# KiCad board 32u2.kicad_pcb (continued)
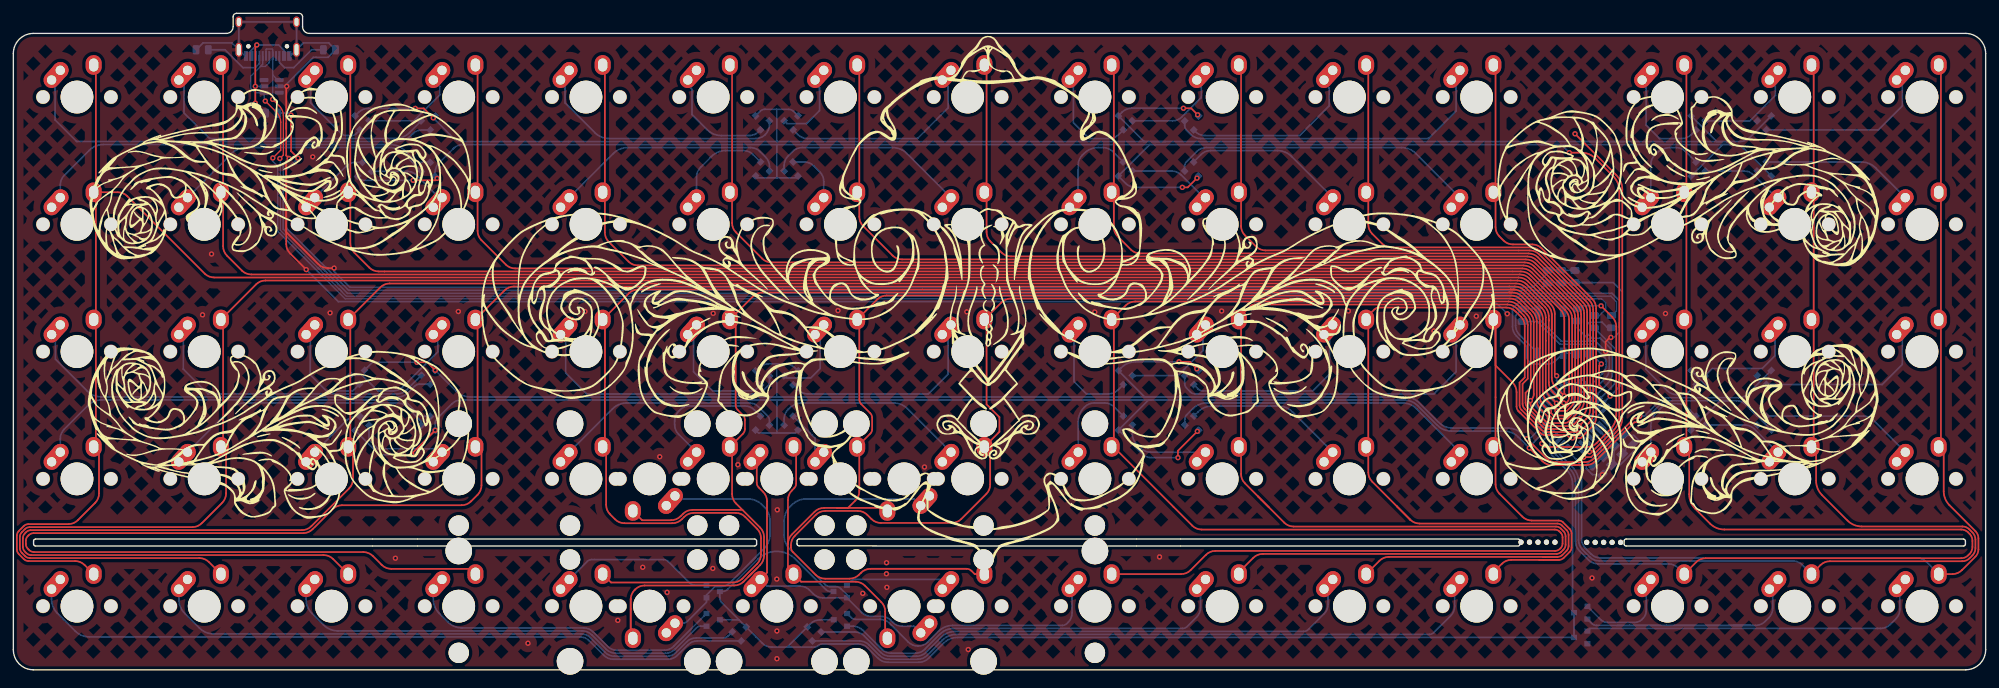
[diagram p0: board, top side]
## Routing (per net, layer and track width the routed paths; a pad name or vN(x,y) marks a point on that pad's centre or on a via; arc(x,y) is an arc through that point) (continued)
Net-(D27-Pad2): length 34.8
  Bottom w0.25: SW305.1 89.71,39.06 arc(90.69,39.71) 91.83,39.94 110.16,39.94 arc(110.92,39.79) 111.57,39.36 112.91,38.01 arc(113.13,37.69) 113.2,37.31 D27.2
Net-(D28-Pad1): length 30.1
  Bottom w0.25: SW308.1 133.89,39.06 arc(132.91,39.71) 131.77,39.94 118.2,39.94 arc(117.05,39.71) 116.08,39.06 115.97,38.96 arc(115.54,38.31) 115.39,37.54 D28.1
Net-(D28-Pad2): length 8.2
  Bottom w0.25: D28.2 120.02,34.67 SW307.1
Net-(D29-Pad1): length 13.7
  Bottom w0.25: D29.1 164.79,39.36 arc(164.15,39.79) 163.38,39.94 161.81,39.94 arc(161.05,39.79) 160.4,39.36 160.3,39.26 arc(159.65,38.29) 159.43,37.14 SW309.1
Net-(D29-Pad2): length 13.7
  Bottom w0.25: SW310.1 170.21,32.58 arc(169.44,32.73) 168.8,33.16 168.11,33.85 arc(167.68,34.5) 167.52,35.26 D29.2
Net-(D30-Pad1): length 46.1
  Bottom w0.25: D30.1 175.39,37.48 arc(175.46,37.86) 175.68,38.18 176.56,39.06 arc(177.53,39.71) 178.68,39.94 207.97,39.94 arc(209.11,39.71) 210.09,39.06 SW312.1
Net-(D30-Pad2): length 24
  Bottom w0.25: D30.2 177.37,38.61 arc(178.35,39.26) 179.49,39.49 189.37,39.49 arc(190.51,39.26) 191.49,38.61 SW311.1
Net-(D31-Pad1): length 13.2
  Bottom w0.25: D31.1 250.63,39.24 arc(249.99,39.68) 249.22,39.83 248.14,39.83 arc(247.38,39.68) 246.73,39.24 246.03,38.54 arc(245.38,37.57) 245.15,36.42 SW313.1
Net-(D31-Pad2): length 12.5
  Bottom w0.25: D31.2 259.23,36.63 arc(260,36.47) 260.65,36.04 264.11,32.58 SW314.1
Net-(D32-Pad2): length 23
  Bottom w0.25: D32.2 277.03,37.97 arc(277.79,37.82) 278.44,37.38 SW315.1
Net-(D33-Pad1): length 109.7
  Bottom w0.25: SW401.1 5.72,10.57 arc(5.95,9.43) 6.6,8.45 9.25,5.81 arc(10.22,5.15) 11.37,4.93 84.81,4.93 arc(85.57,4.77) 86.22,4.34 88.4,2.16 arc(89.05,1.73) 89.81,1.58 98,1.58 arc(98.77,1.73) 99.41,2.16 100.99,3.74 arc(101.64,4.17) 102.4,4.32 D33.1
Net-(D33-Pad2): length 89.5
  Bottom w0.25: SW402.1 24.78,10.57 arc(25,9.43) 25.65,8.45 27.85,6.25 arc(28.82,5.6) 29.97,5.38 84.99,5.38 arc(85.76,5.22) 86.41,4.79 88.59,2.61 arc(89.24,2.18) 90,2.03 97.81,2.03 arc(98.58,2.18) 99.23,2.61 100.8,4.18 arc(101.45,4.62) 102.22,4.77 106.31,4.77 arc(106.69,4.85) 107.02,5.06 D33.2
Net-(D34-Pad1): length 66.6
  Bottom w0.25: D34.1 102.92,6.53 arc(102.54,6.45) 102.21,6.23 99.04,3.06 arc(98.39,2.63) 97.63,2.48 90.19,2.48 arc(89.42,2.63) 88.77,3.06 86.59,5.24 arc(85.95,5.67) 85.18,5.83 48.57,5.83 arc(47.42,6.05) 46.45,6.7 44.7,8.45 arc(44.05,9.43) 43.83,10.57 SW403.1
Net-(D34-Pad2): length 48.1
  Bottom w0.25: D34.2 98.86,3.51 arc(98.21,3.08) 97.44,2.93 90.37,2.93 arc(89.61,3.08) 88.96,3.51 86.78,5.69 arc(86.13,6.12) 85.37,6.28 67.17,6.28 arc(66.03,6.5) 65.05,7.15 63.75,8.45 arc(63.1,9.43) 62.88,10.57 SW404.1
Net-(D35-Pad1): length 41.5
  Bottom w0.25: 110.38,16.12 110.38,16.12 112.42,18.16 arc(113.07,19.13) 113.3,20.28 113.3,22.26 arc(113.07,23.41) 112.42,24.38 112.1,24.7 arc(111.13,25.35) 109.98,25.58 99.5,25.58 SW406_1.1 ; 110.38,16.12 112.08,17.82 ; 110.38,16.12 107.29,13.04 arc(106.65,12.6) 105.88,12.45 105.02,12.45 103.77,11.2 103.77,10.12 100.91,7.27 arc(100.59,7.05) 100.21,6.98 SW406.1
Net-(D35-Pad2): length 23.2
  Bottom w0.25: SW405.1 85.91,16.21 arc(86.23,16.42) 86.61,16.5 97.33,16.5 arc(97.71,16.42) 98.04,16.21 101.28,12.97 arc(101.6,12.75) 101.98,12.68 103.77,12.68
Net-(D36-Pad1): length 15.9
  Bottom w0.25: SW408.1 126.06,13.53 arc(125.68,13.45) 125.35,13.23 124.8,12.68
Net-(D36-Pad2): length 90.3
  Top w0.25: SW407_3.1 111.3,30.33 111.3,28 arc(111.37,27.62) 111.59,27.29 112.25,26.63 arc(112.68,25.98) 112.83,25.22 112.83,14.56 SW407.1
  Bottom w0.25: 124.8,10.78 121.18,10.78 arc(120.42,10.93) 119.77,11.36 119.19,11.94 arc(118.54,12.37) 117.77,12.53 112.8,12.53 SW407.1 ; 124.8,10.78 126.98,8.59 arc(127.63,8.15) 128.4,8 129.94,8 arc(130.71,7.85) 131.35,7.41 131.66,7.11 arc(132.31,6.68) 133.07,6.52 134.85,6.52 SW407_1.1 ; 124.8,10.78 124.8,11.22 123.86,12.16 arc(123.54,12.37) 123.16,12.45 123.02,12.45 ; 118.67,25.57 123.4,25.57 ; 123.39,25.58 118.69,25.58 arc(117.54,25.35) 116.57,24.7 116.27,24.4 arc(115.62,23.43) 115.39,22.28 115.39,20.14 arc(115.62,18.99) 116.27,18.02 121.55,12.74 arc(121.87,12.53) 122.26,12.45 123.02,12.45 ; 123.4,25.57 134.85,25.57 SW407_2.1 ; 123.02,12.45 122.18,12.45
Net-(D37-Pad1): length 41.4
  Bottom w0.25: D37.1 125.4,7.84 arc(125.73,7.63) 126.11,7.55 129.75,7.55 arc(130.52,7.4) 131.17,6.96 133.99,4.15 arc(134.63,3.71) 135.4,3.56 135.48,3.56 arc(136.24,3.71) 136.89,4.15 138.51,5.76 arc(139.48,6.41) 140.63,6.64 157.04,6.64 arc(157.42,6.72) 157.75,6.93 157.92,7.1 arc(158.35,7.75) 158.51,8.52 158.51,11.31 158.12,11.69 SW409.1
Net-(D37-Pad2): length 60.4
  Bottom w0.25: SW410.1 177.18,11.86 177.74,11.3 177.74,9.3 arc(177.58,8.53) 177.15,7.88 175.75,6.48 arc(175.42,6.27) 175.04,6.19 140.81,6.19 arc(139.67,5.96) 138.69,5.31 136.44,3.06 arc(135.79,2.63) 135.03,2.48 131.45,2.48 arc(130.68,2.63) 130.03,3.06 127.16,5.94 arc(126.51,6.37) 125.74,6.53 D37.2
Net-(D38-Pad1): length 83.1
  Bottom w0.25: SW411.1 196.83,11.48 196.83,9.81 arc(196.67,9.04) 196.24,8.39 193.88,6.03 arc(193.55,5.82) 193.17,5.74 141,5.74 arc(139.85,5.51) 138.88,4.86 136.63,2.61 arc(135.98,2.18) 135.21,2.03 131.26,2.03 arc(130.5,2.18) 129.85,2.61 127.38,5.08 arc(126.73,5.51) 125.97,5.66 D38.1
Net-(D38-Pad2): length 103.3
  Bottom w0.25: D38.2 126.67,4.32 arc(127.44,4.17) 128.09,3.74 129.66,2.16 arc(130.31,1.73) 131.08,1.58 135.4,1.58 arc(136.17,1.73) 136.81,2.16 139.06,4.41 arc(140.04,5.06) 141.19,5.29 211.97,5.29 arc(212.35,5.37) 212.68,5.58 215.2,8.1 arc(215.63,8.75) 215.78,9.52 215.78,11.3 215.28,11.81 SW412.1
Net-(D39-Pad1): length 14.2
  Bottom w0.25: SW413.1 244.46,11.47 244.46,8.8 arc(244.34,8.23) 244.02,7.74 243.8,7.53 arc(243.32,7.2) 242.74,7.09 238.68,7.09 arc(238.1,7.2) 237.62,7.53 D39.1
Net-(D39-Pad2): length 55.5
  Bottom w0.25: 260.47,6.64 260.08,6.64 ; 260.08,6.64 257.58,6.64 ; 260.08,6.64 237.02,6.64 arc(236.64,6.72) 236.31,6.93 D39.2 ; 240.06,6.64 257.58,6.64 ; 257.58,6.64 260.83,6.64 arc(261.59,6.79) 262.24,7.23 262.82,7.8 arc(263.25,8.45) 263.4,9.22 263.4,11.57 SW414.1
Net-(D40-Pad1): length 51.7
  Bottom w0.25: D40.1 236.04,6.19 279.56,6.19 arc(280.32,6.34) 280.97,6.78 281.85,7.65 arc(282.28,8.3) 282.44,9.07 282.44,11.59 SW415.1
Net-(J0-PadA5): length 10.1
  Bottom w0.25: R3.1 31.7,92.8 34.38,90.13 36.22,90.13 36.83,90.73 J0.A5
Net-(J0-PadB5): length 9
  Bottom w0.25: J0.B5 39.83,90.91 40.6,90.13 41.98,90.13 44.65,92.8 R4.1
Net-(R0-Pad2): length 30.1
  Bottom w0.25: SW0.2 232.36,47.06 U0.24 232.03,43.43 ; SW0.2 233.89,47.39 R0.2 ; SW0.2 230.97,46.34 arc(230.32,45.9) 229.56,45.75 227.71,45.75 arc(227.33,45.83) 227,46.04 226.88,46.17 arc(226.66,46.49) 226.58,46.88 226.58,47.98 arc(226.51,48.37) 226.29,48.69 225.03,49.95 arc(224.6,50.6) 224.45,51.36 224.45,54.06 225.49,55.1 230.61,55.1 SW0.2
Net-(R1-Pad2): length 17.7
  Bottom w0.25: U0.29 238.79,42.95 arc(239.22,43.6) 239.38,44.37 239.38,47.43 arc(239.3,47.81) 239.08,48.13 237.58,49.64 236.31,49.64 235.61,50.34 235.61,51.65 235.98,52.02 237.85,52.02 238.69,51.19
Net-(R2-Pad2): length 13.3
  Bottom w0.25: R2.2 239.67,48.19 arc(239.88,47.86) 239.96,47.48 239.96,43.82 arc(239.81,43.05) 239.37,42.41 U0.30
Net-(R5-Pad1): length 37.6
  Top w0.25: v1(237.7,54.48) 239.39,52.78 arc(239.82,52.13) 239.98,51.37 239.98,38.12 arc(239.75,36.97) 239.1,36 237.03,33.94 arc(236.38,33.5) 235.62,33.35 229.32,33.35 v1(228.82,33.85)
  Bottom w0.25: 230.1,35.4 U0.13 228.82,34.12 v1(228.82,33.85) ; 234.94,54.02 R5.1 234.64,54.48 v1(237.7,54.48)

## Copper pours and planes (outline as drawn; the poured copper is in the pictures)
GND on Top, Bottom: 328.69,-21.53 -26.45,-21.53 -26.45,111.26 328.69,111.26

## Text on the board
B.Silkscreen: || Stucco[15-10] I / || ScatteredDrifter
